# Altium PCB PCB22.PcbDoc (part 15 of 16) (continued)
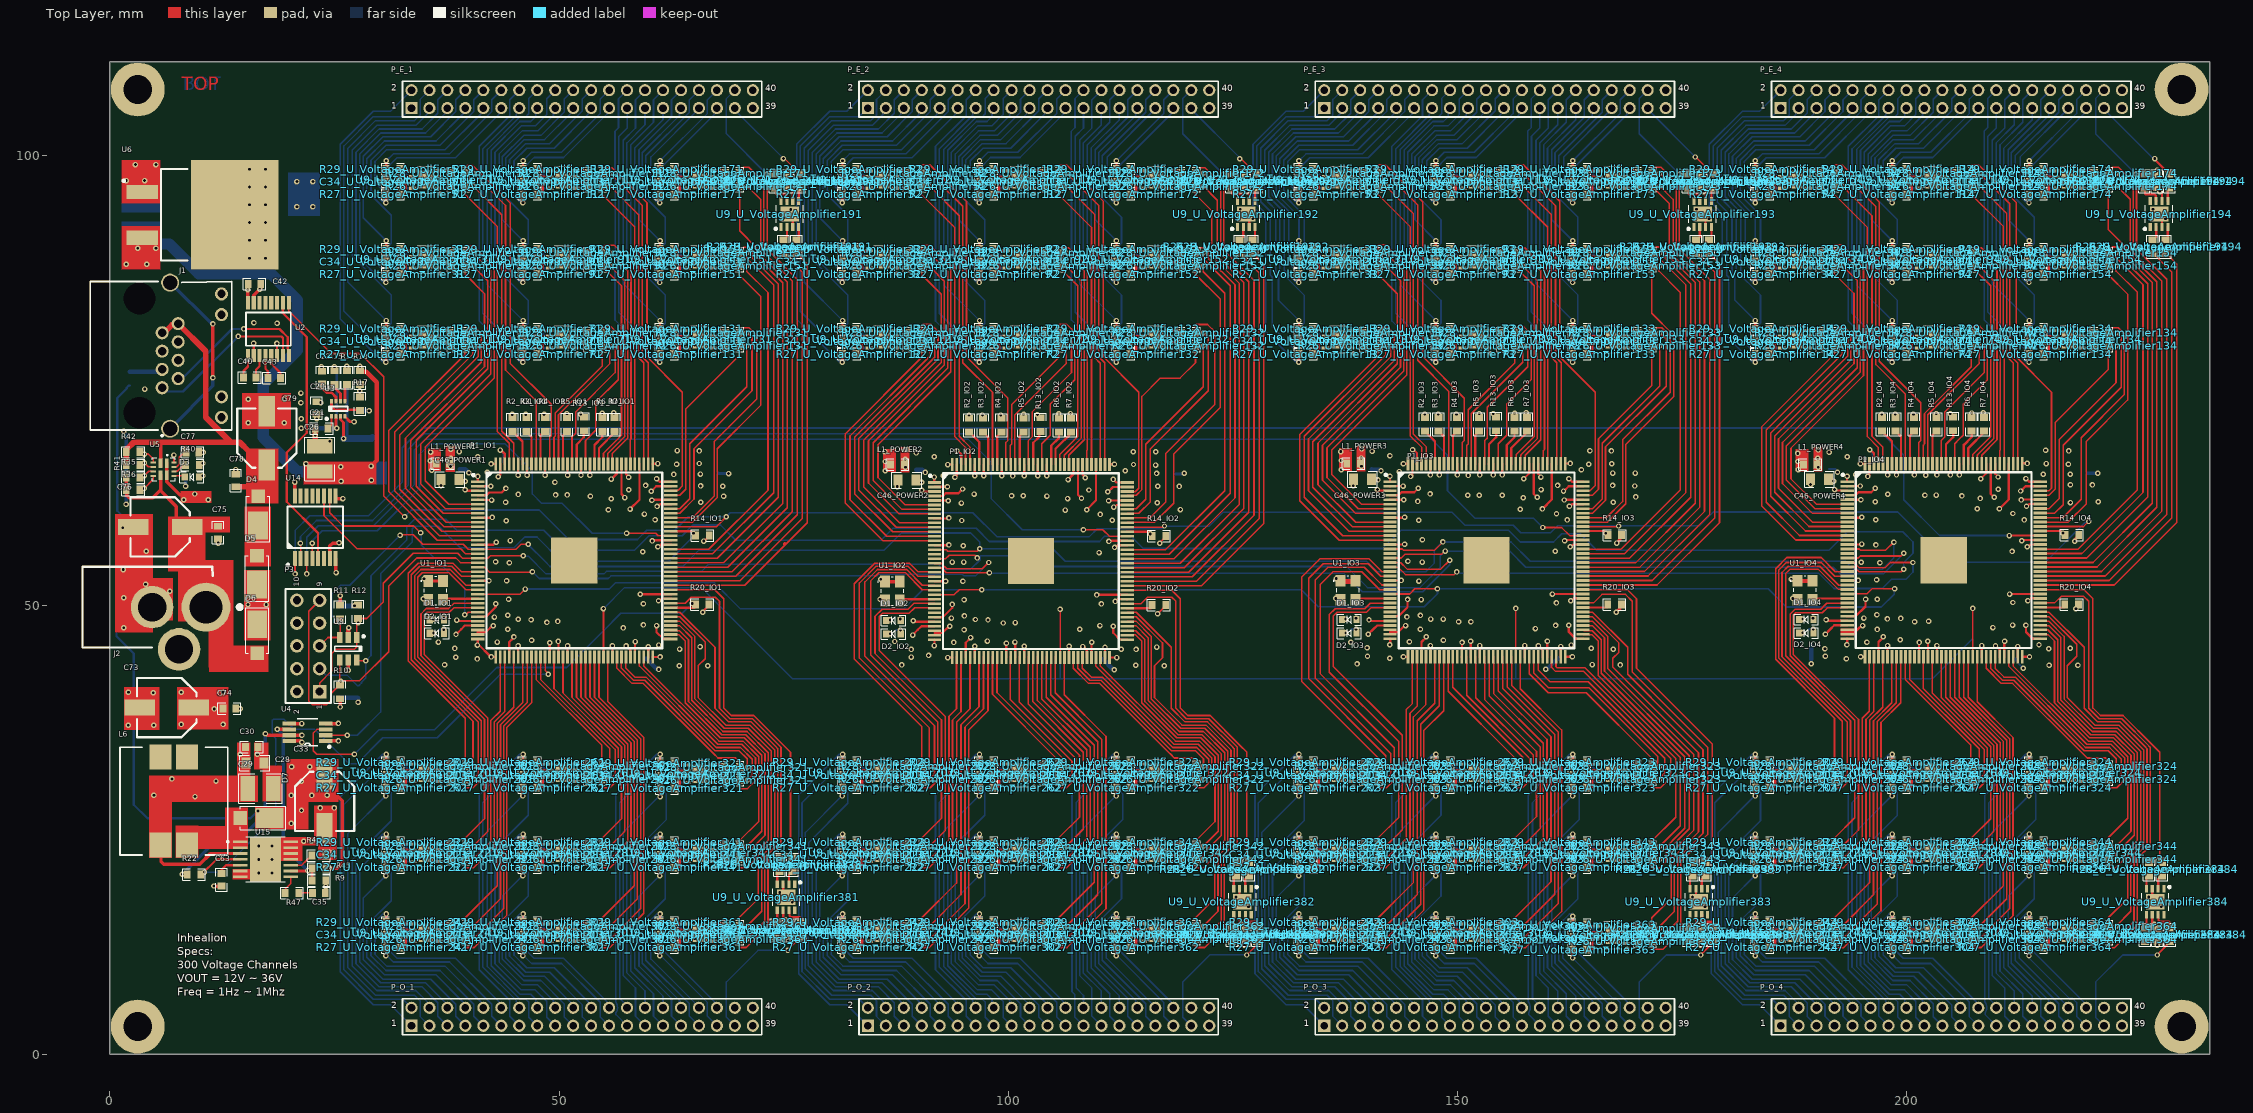
[diagram p0: Top Layer view]
## Nets (pads, with @x,y where several pads share a name; then routed paths per layer and width w, separated by ;. In a path a pad name is that pad's centre, name@x,y a point inside that pad or via, vN(x,y) a via of type N, cw(c..) or ccw(c..) an arc to the next point about the centre after c; other vN are vias at no path point) (continued)
; C34_U_VoltageAmplifier243.1@133.798,13.314 C34_U_VoltageAmplifier243.1@133.798,13.383 ; C34_U_VoltageAmplifier243.1@133.798,13.383 v1@134.303,13.888 ; C34_U_VoltageAmplifier243.1@133.798,13.383 v1@134.303,13.888 ; C34_U_VoltageAmplifier243.1@133.798,13.383 v1@134.303,13.888 ; C34_U_VoltageAmplifier223.1@133.798,22.204 C34_U_VoltageAmplifier223.1@133.798,22.273 ; C34_U_VoltageAmplifier223.1@133.798,22.204 C34_U_VoltageAmplifier223.1@133.798,22.273 ; C34_U_VoltageAmplifier223.1@133.798,22.204 C34_U_VoltageAmplifier223.1@133.798,22.273 ; C34_U_VoltageAmplifier223.1@133.798,22.273 v1@134.303,22.778 ; C34_U_VoltageAmplifier223.1@133.798,22.273 v1@134.303,22.778 ; C34_U_VoltageAmplifier223.1@133.798,22.273 v1@134.303,22.778 ; C34_U_VoltageAmplifier203.1@133.798,31.094 C34_U_VoltageAmplifier203.1@133.798,31.163 ; C34_U_VoltageAmplifier203.1@133.798,31.094 C34_U_VoltageAmplifier203.1@133.798,31.163 ; C34_U_VoltageAmplifier203.1@133.798,31.094 C34_U_VoltageAmplifier203.1@133.798,31.163 ; C34_U_VoltageAmplifier203.1@133.798,31.163 v1@134.303,31.668 ; C34_U_VoltageAmplifier203.1@133.798,31.163 v1@134.303,31.668 ; C34_U_VoltageAmplifier203.1@133.798,31.163 v1@134.303,31.668 ; C34_U_VoltageAmplifier13.1@133.798,79.354 C34_U_VoltageAmplifier13.1@133.798,79.423 ; C34_U_VoltageAmplifier13.1@133.798,79.354 C34_U_VoltageAmplifier13.1@133.798,79.423 ; C34_U_VoltageAmplifier13.1@133.798,79.354 C34_U_VoltageAmplifier13.1@133.798,79.423 ; C34_U_VoltageAmplifier13.1@133.798,79.423 v1@134.303,79.928 ; C34_U_VoltageAmplifier13.1@133.798,79.423 v1@134.303,79.928 ; C34_U_VoltageAmplifier13.1@133.798,79.423 v1@134.303,79.928 ; C34_U_VoltageAmplifier33.1@133.798,88.244 C34_U_VoltageAmplifier33.1@133.798,88.313 ; C34_U_VoltageAmplifier33.1@133.798,88.244 C34_U_VoltageAmplifier33.1@133.798,88.313 ; C34_U_VoltageAmplifier33.1@133.798,88.244 C34_U_VoltageAmplifier33.1@133.798,88.313 ; C34_U_VoltageAmplifier33.1@133.798,88.313 v1@134.303,88.818 ; C34_U_VoltageAmplifier33.1@133.798,88.313 v1@134.303,88.818 ; C34_U_VoltageAmplifier33.1@133.798,88.313 v1@134.303,88.818 ; C34_U_VoltageAmplifier53.1@133.798,97.134 C34_U_VoltageAmplifier53.1@133.798,97.203 ; C34_U_VoltageAmplifier53.1@133.798,97.134 C34_U_VoltageAmplifier53.1@133.798,97.203 ; C34_U_VoltageAmplifier53.1@133.798,97.134 C34_U_VoltageAmplifier53.1@133.798,97.203 ; C34_U_VoltageAmplifier53.1@133.798,97.203 v1@134.303,97.708 ; C34_U_VoltageAmplifier53.1@133.798,97.203 v1@134.303,97.708 ; C34_U_VoltageAmplifier53.1@133.798,97.203 v1@134.303,97.708 ; C34_U_VoltageAmplifier303.1@149.038,13.314 C34_U_VoltageAmplifier303.1@149.038,13.383 ; C34_U_VoltageAmplifier303.1@149.038,13.314 C34_U_VoltageAmplifier303.1@149.038,13.383 ; C34_U_VoltageAmplifier303.1@149.038,13.314 C34_U_VoltageAmplifier303.1@149.038,13.383 ; C34_U_VoltageAmplifier303.1@149.038,13.383 v1@149.543,13.888 ; C34_U_VoltageAmplifier303.1@149.038,13.383 v1@149.543,13.888 ; C34_U_VoltageAmplifier303.1@149.038,13.383 v1@149.543,13.888 ; C34_U_VoltageAmplifier283.1@149.038,22.204 C34_U_VoltageAmplifier283.1@149.038,22.273 ; C34_U_VoltageAmplifier283.1@149.038,22.204 C34_U_VoltageAmplifier283.1@149.038,22.273 ; C34_U_VoltageAmplifier283.1@149.038,22.204 C34_U_VoltageAmplifier283.1@149.038,22.273 ; C34_U_VoltageAmplifier283.1@149.038,22.273 v1@149.543,22.778 ; C34_U_VoltageAmplifier283.1@149.038,22.273 v1@149.543,22.778 ; C34_U_VoltageAmplifier283.1@149.038,22.273 v1@149.543,22.778 ; C34_U_VoltageAmplifier263.1@149.038,31.094 C34_U_VoltageAmplifier263.1@149.038,31.163 ; C34_U_VoltageAmplifier263.1@149.038,31.094 C34_U_VoltageAmplifier263.1@149.038,31.163 ; C34_U_VoltageAmplifier263.1@149.038,31.094 C34_U_VoltageAmplifier263.1@149.038,31.163 ; C34_U_VoltageAmplifier263.1@149.038,31.163 v1@149.543,31.668 ; C34_U_VoltageAmplifier263.1@149.038,31.163 v1@149.543,31.668 ; C34_U_VoltageAmplifier263.1@149.038,31.163 v1@149.543,31.668 ; C34_U_VoltageAmplifier73.1@149.038,79.354 C34_U_VoltageAmplifier73.1@149.038,79.423 ; C34_U_VoltageAmplifier73.1@149.038,79.354 C34_U_VoltageAmplifier73.1@149.038,79.423 ; C34_U_VoltageAmplifier73.1@149.038,79.354 C34_U_VoltageAmplifier73.1@149.038,79.423 ; C34_U_VoltageAmplifier73.1@149.038,79.423 v1@149.543,79.928 ; C34_U_VoltageAmplifier73.1@149.038,79.423 v1@149.543,79.928 ; C34_U_VoltageAmplifier73.1@149.038,79.423 v1@149.543,79.928 ; C34_U_VoltageAmplifier93.1@149.038,88.244 C34_U_VoltageAmplifier93.1@149.038,88.313 ; C34_U_VoltageAmplifier93.1@149.038,88.244 C34_U_VoltageAmplifier93.1@149.038,88.313 ; C34_U_VoltageAmplifier93.1@149.038,88.244 C34_U_VoltageAmplifier93.1@149.038,88.313 ; C34_U_VoltageAmplifier93.1@149.038,88.313 v1@149.543,88.818 ; C34_U_VoltageAmplifier93.1@149.038,88.313 v1@149.543,88.818 ; C34_U_VoltageAmplifier93.1@149.038,88.313 v1@149.543,88.818 ; C34_U_VoltageAmplifier113.1@149.038,97.134 C34_U_VoltageAmplifier113.1@149.038,97.203 ; C34_U_VoltageAmplifier113.1@149.038,97.134 C34_U_VoltageAmplifier113.1@149.038,97.203 ; C34_U_VoltageAmplifier113.1@149.038,97.134 C34_U_VoltageAmplifier113.1@149.038,97.203 ; C34_U_VoltageAmplifier113.1@149.038,97.203 v1@149.543,97.708 ; C34_U_VoltageAmplifier113.1@149.038,97.203 v1@149.543,97.708 ; C34_U_VoltageAmplifier113.1@149.038,97.203 v1@149.543,97.708 ; C34_U_VoltageAmplifier363.1@164.278,13.06 C34_U_VoltageAmplifier363.1@164.278,13.129 ; C34_U_VoltageAmplifier363.1@164.278,13.06 C34_U_VoltageAmplifier363.1@164.278,13.129 ; C34_U_VoltageAmplifier363.1@164.278,13.06 C34_U_VoltageAmplifier363.1@164.278,13.129 ; C34_U_VoltageAmplifier363.1@164.278,13.129 v1@164.783,13.634 ; C34_U_VoltageAmplifier363.1@164.278,13.129 v1@164.783,13.634 ; C34_U_VoltageAmplifier363.1@164.278,13.129 v1@164.783,13.634 ; C34_U_VoltageAmplifier343.1@164.278,22.204 C34_U_VoltageAmplifier343.1@164.278,22.273 ; C34_U_VoltageAmplifier343.1@164.278,22.204 C34_U_VoltageAmplifier343.1@164.278,22.273 ; C34_U_VoltageAmplifier343.1@164.278,22.204 C34_U_VoltageAmplifier343.1@164.278,22.273 ; C34_U_VoltageAmplifier343.1@164.278,22.273 v1@164.783,22.778 ; C34_U_VoltageAmplifier343.1@164.278,22.273 v1@164.783,22.778 ; C34_U_VoltageAmplifier343.1@164.278,22.273 v1@164.783,22.778 ; C34_U_VoltageAmplifier323.1@164.278,31.094 C34_U_VoltageAmplifier323.1@164.278,31.163 ; C34_U_VoltageAmplifier323.1@164.278,31.094 C34_U_VoltageAmplifier323.1@164.278,31.163 ; C34_U_VoltageAmplifier323.1@164.278,31.094 C34_U_VoltageAmplifier323.1@164.278,31.163 ; C34_U_VoltageAmplifier323.1@164.278,31.163 v1@164.783,31.668 ; C34_U_VoltageAmplifier323.1@164.278,31.163 v1@164.783,31.668 ; C34_U_VoltageAmplifier323.1@164.278,31.163 v1@164.783,31.668 ; C34_U_VoltageAmplifier133.1@164.278,79.354 C34_U_VoltageAmplifier133.1@164.278,79.423 ; C34_U_VoltageAmplifier133.1@164.278,79.354 C34_U_VoltageAmplifier133.1@164.278,79.423 ; C34_U_VoltageAmplifier133.1@164.278,79.354 C34_U_VoltageAmplifier133.1@164.278,79.423 ; C34_U_VoltageAmplifier133.1@164.278,79.423 v1@164.783,79.928 ; C34_U_VoltageAmplifier133.1@164.278,79.423 v1@164.783,79.928 ; C34_U_VoltageAmplifier133.1@164.278,79.423 v1@164.783,79.928 ; C34_U_VoltageAmplifier153.1@164.278,88.244 C34_U_VoltageAmplifier153.1@164.278,88.313 ; C34_U_VoltageAmplifier153.1@164.278,88.244 C34_U_VoltageAmplifier153.1@164.278,88.313 ; C34_U_VoltageAmplifier153.1@164.278,88.244 C34_U_VoltageAmplifier153.1@164.278,88.313 ; C34_U_VoltageAmplifier153.1@164.278,88.313 v1@164.783,88.818 ; C34_U_VoltageAmplifier153.1@164.278,88.313 v1@164.783,88.818 ; C34_U_VoltageAmplifier153.1@164.278,88.313 v1@164.783,88.818 ; C34_U_VoltageAmplifier173.1@164.278,97.134 C34_U_VoltageAmplifier173.1@164.278,97.203 ; C34_U_VoltageAmplifier173.1@164.278,97.134 C34_U_VoltageAmplifier173.1@164.278,97.203 ; C34_U_VoltageAmplifier173.1@164.278,97.134 C34_U_VoltageAmplifier173.1@164.278,97.203 ; C34_U_VoltageAmplifier173.1@164.278,97.203 v1@164.783,97.708 ; C34_U_VoltageAmplifier173.1@164.278,97.203 v1@164.783,97.708 ; C34_U_VoltageAmplifier173.1@164.278,97.203 v1@164.783,97.708 ; v1@176.532,14.525 C34_U_VoltageAmplifier383.1@177.037,14.02 ; v1@176.532,14.525 C34_U_VoltageAmplifier383.1@177.037,14.02 ; C34_U_VoltageAmplifier383.1@177.037,14.02 C34_U_VoltageAmplifier383.1@177.106,14.02 C34_U_VoltageAmplifier383.1@177.037,14.02 ; C34_U_VoltageAmplifier193.1@177.103,96.5 v1@177.608,95.995 ; C34_U_VoltageAmplifier193.1@177.103,96.5 v1@177.608,95.995 ; C34_U_VoltageAmplifier193.1@177.103,96.5 C34_U_VoltageAmplifier193.1@177.034,96.5 C34_U_VoltageAmplifier193.1@177.103,96.5 ; C34_U_VoltageAmplifier244.1@184.598,13.314 C34_U_VoltageAmplifier244.1@184.598,13.383 ; C34_U_VoltageAmplifier244.1@184.598,13.314 C34_U_VoltageAmplifier244.1@184.598,13.383 ; C34_U_VoltageAmplifier244.1@184.598,13.314 C34_U_VoltageAmplifier244.1@184.598,13.383 ; C34_U_VoltageAmplifier244.1@184.598,13.383 v1@185.103,13.888 ; C34_U_VoltageAmplifier244.1@184.598,13.383 v1@185.103,13.888 ; C34_U_VoltageAmplifier244.1@184.598,13.383 v1@185.103,13.888 ; C34_U_VoltageAmplifier224.1@184.598,22.204 C34_U_VoltageAmplifier224.1@184.598,22.273 ; C34_U_VoltageAmplifier224.1@184.598,22.204 C34_U_VoltageAmplifier224.1@184.598,22.273 ; C34_U_VoltageAmplifier224.1@184.598,22.204 C34_U_VoltageAmplifier224.1@184.598,22.273 ; C34_U_VoltageAmplifier224.1@184.598,22.273 v1@185.103,22.778 ; C34_U_VoltageAmplifier224.1@184.598,22.273 v1@185.103,22.778 ; C34_U_VoltageAmplifier224.1@184.598,22.273 v1@185.103,22.778 ; C34_U_VoltageAmplifier204.1@184.598,31.094 C34_U_VoltageAmplifier204.1@184.598,31.163 ; C34_U_VoltageAmplifier204.1@184.598,31.094 C34_U_VoltageAmplifier204.1@184.598,31.163 ; C34_U_VoltageAmplifier204.1@184.598,31.094 C34_U_VoltageAmplifier204.1@184.598,31.163 ; C34_U_VoltageAmplifier204.1@184.598,31.163 v1@185.103,31.668 ; C34_U_VoltageAmplifier204.1@184.598,31.163 v1@185.103,31.668 ; C34_U_VoltageAmplifier204.1@184.598,31.163 v1@185.103,31.668 ; C34_U_VoltageAmplifier14.1@184.598,79.354 C34_U_VoltageAmplifier14.1@184.598,79.423 ; C34_U_VoltageAmplifier14.1@184.598,79.354 C34_U_VoltageAmplifier14.1@184.598,79.423 ; C34_U_VoltageAmplifier14.1@184.598,79.354 C34_U_VoltageAmplifier14.1@184.598,79.423 ; C34_U_VoltageAmplifier14.1@184.598,79.423 v1@185.103,79.928 ; C34_U_VoltageAmplifier14.1@184.598,79.423 v1@185.103,79.928 ; C34_U_VoltageAmplifier14.1@184.598,79.423 v1@185.103,79.928 ; C34_U_VoltageAmplifier34.1@184.598,88.244 C34_U_VoltageAmplifier34.1@184.598,88.313 ; C34_U_VoltageAmplifier34.1@184.598,88.244 C34_U_VoltageAmplifier34.1@184.598,88.313 ; C34_U_VoltageAmplifier34.1@184.598,88.244 C34_U_VoltageAmplifier34.1@184.598,88.313 ; C34_U_VoltageAmplifier34.1@184.598,88.313 v1@185.103,88.818 ; C34_U_VoltageAmplifier34.1@184.598,88.313 v1@185.103,88.818 ; C34_U_VoltageAmplifier34.1@184.598,88.313 v1@185.103,88.818 ; C34_U_VoltageAmplifier54.1@184.598,97.134 C34_U_VoltageAmplifier54.1@184.598,97.203 ; C34_U_VoltageAmplifier54.1@184.598,97.134 C34_U_VoltageAmplifier54.1@184.598,97.203 ; C34_U_VoltageAmplifier54.1@184.598,97.134 C34_U_VoltageAmplifier54.1@184.598,97.203 ; C34_U_VoltageAmplifier54.1@184.598,97.203 v1@185.103,97.708 ; C34_U_VoltageAmplifier54.1@184.598,97.203 v1@185.103,97.708 ; C34_U_VoltageAmplifier54.1@184.598,97.203 v1@185.103,97.708 ; C34_U_VoltageAmplifier304.1@199.838,13.314 C34_U_VoltageAmplifier304.1@199.838,13.383 ; C34_U_VoltageAmplifier304.1@199.838,13.314 C34_U_VoltageAmplifier304.1@199.838,13.383 ; C34_U_VoltageAmplifier304.1@199.838,13.314 C34_U_VoltageAmplifier304.1@199.838,13.383 ; C34_U_VoltageAmplifier304.1@199.838,13.383 v1@200.343,13.888 ; C34_U_VoltageAmplifier304.1@199.838,13.383 v1@200.343,13.888 ; C34_U_VoltageAmplifier304.1@199.838,13.383 v1@200.343,13.888 ; C34_U_VoltageAmplifier284.1@199.838,22.204 C34_U_VoltageAmplifier284.1@199.838,22.273 ; C34_U_VoltageAmplifier284.1@199.838,22.204 C34_U_VoltageAmplifier284.1@199.838,22.273 ; C34_U_VoltageAmplifier284.1@199.838,22.204 C34_U_VoltageAmplifier284.1@199.838,22.273 ; C34_U_VoltageAmplifier284.1@199.838,22.273 v1@200.343,22.778 ; C34_U_VoltageAmplifier284.1@199.838,22.273 v1@200.343,22.778 ; C34_U_VoltageAmplifier284.1@199.838,22.273 v1@200.343,22.778 ; C34_U_VoltageAmplifier264.1@199.838,31.094 C34_U_VoltageAmplifier264.1@199.838,31.163 ; C34_U_VoltageAmplifier264.1@199.838,31.094 C34_U_VoltageAmplifier264.1@199.838,31.163 ; C34_U_VoltageAmplifier264.1@199.838,31.094 C34_U_VoltageAmplifier264.1@199.838,31.163 ; C34_U_VoltageAmplifier264.1@199.838,31.163 v1@200.343,31.668 ; C34_U_VoltageAmplifier264.1@199.838,31.163 v1@200.343,31.668 ; C34_U_VoltageAmplifier264.1@199.838,31.163 v1@200.343,31.668 ; C34_U_VoltageAmplifier74.1@199.838,79.354 C34_U_VoltageAmplifier74.1@199.838,79.423 ; C34_U_VoltageAmplifier74.1@199.838,79.354 C34_U_VoltageAmplifier74.1@199.838,79.423 ; C34_U_VoltageAmplifier74.1@199.838,79.354 C34_U_VoltageAmplifier74.1@199.838,79.423 ; C34_U_VoltageAmplifier74.1@199.838,79.423 v1@200.343,79.928 ; C34_U_VoltageAmplifier74.1@199.838,79.423 v1@200.343,79.928 ; C34_U_VoltageAmplifier74.1@199.838,79.423 v1@200.343,79.928 ; C34_U_VoltageAmplifier94.1@199.838,88.244 C34_U_VoltageAmplifier94.1@199.838,88.313 ; C34_U_VoltageAmplifier94.1@199.838,88.244 C34_U_VoltageAmplifier94.1@199.838,88.313 ; C34_U_VoltageAmplifier94.1@199.838,88.244 C34_U_VoltageAmplifier94.1@199.838,88.313 ; C34_U_VoltageAmplifier94.1@199.838,88.313 v1@200.343,88.818 ; C34_U_VoltageAmplifier94.1@199.838,88.313 v1@200.343,88.818 ; C34_U_VoltageAmplifier94.1@199.838,88.313 v1@200.343,88.818 ; C34_U_VoltageAmplifier114.1@199.838,97.134 C34_U_VoltageAmplifier114.1@199.838,97.203 ; C34_U_VoltageAmplifier114.1@199.838,97.134 C34_U_VoltageAmplifier114.1@199.838,97.203 ; C34_U_VoltageAmplifier114.1@199.838,97.134 C34_U_VoltageAmplifier114.1@199.838,97.203 ; C34_U_VoltageAmplifier114.1@199.838,97.203 v1@200.343,97.708 ; C34_U_VoltageAmplifier114.1@199.838,97.203 v1@200.343,97.708 ; C34_U_VoltageAmplifier114.1@199.838,97.203 v1@200.343,97.708 ; C34_U_VoltageAmplifier364.1@215.078,13.314 C34_U_VoltageAmplifier364.1@215.078,13.383 ; C34_U_VoltageAmplifier364.1@215.078,13.314 C34_U_VoltageAmplifier364.1@215.078,13.383 ; C34_U_VoltageAmplifier364.1@215.078,13.314 C34_U_VoltageAmplifier364.1@215.078,13.383 ; C34_U_VoltageAmplifier364.1@215.078,13.383 v1@215.583,13.888 ; C34_U_VoltageAmplifier364.1@215.078,13.383 v1@215.583,13.888 ; C34_U_VoltageAmplifier364.1@215.078,13.383 v1@215.583,13.888 ; C34_U_VoltageAmplifier344.1@215.078,22.204 C34_U_VoltageAmplifier344.1@215.078,22.273 ; C34_U_VoltageAmplifier344.1@215.078,22.204 C34_U_VoltageAmplifier344.1@215.078,22.273 ; C34_U_VoltageAmplifier344.1@215.078,22.204 C34_U_VoltageAmplifier344.1@215.078,22.273 ; C34_U_VoltageAmplifier344.1@215.078,22.273 v1@215.583,22.778 ; C34_U_VoltageAmplifier344.1@215.078,22.273 v1@215.583,22.778 ; C34_U_VoltageAmplifier344.1@215.078,22.273 v1@215.583,22.778 ; C34_U_VoltageAmplifier324.1@215.078,31.094 C34_U_VoltageAmplifier324.1@215.078,31.163 ; C34_U_VoltageAmplifier324.1@215.078,31.094 C34_U_VoltageAmplifier324.1@215.078,31.163 ; C34_U_VoltageAmplifier324.1@215.078,31.094 C34_U_VoltageAmplifier324.1@215.078,31.163 ; C34_U_VoltageAmplifier324.1@215.078,31.163 v1@215.583,31.668 ; C34_U_VoltageAmplifier324.1@215.078,31.163 v1@215.583,31.668 ; C34_U_VoltageAmplifier324.1@215.078,31.163 v1@215.583,31.668 ; C34_U_VoltageAmplifier134.1@215.078,79.354 C34_U_VoltageAmplifier134.1@215.078,79.423 ; C34_U_VoltageAmplifier134.1@215.078,79.354 C34_U_VoltageAmplifier134.1@215.078,79.423 ; C34_U_VoltageAmplifier134.1@215.078,79.354 C34_U_VoltageAmplifier134.1@215.078,79.423 ; C34_U_VoltageAmplifier134.1@215.078,79.423 v1@215.583,79.928 ; C34_U_VoltageAmplifier134.1@215.078,79.423 v1@215.583,79.928 ; C34_U_VoltageAmplifier134.1@215.078,79.423 v1@215.583,79.928 ; C34_U_VoltageAmplifier154.1@215.078,88.244 C34_U_VoltageAmplifier154.1@215.078,88.313 ; C34_U_VoltageAmplifier154.1@215.078,88.244 C34_U_VoltageAmplifier154.1@215.078,88.313 ; C34_U_VoltageAmplifier154.1@215.078,88.244 C34_U_VoltageAmplifier154.1@215.078,88.313 ; C34_U_VoltageAmplifier154.1@215.078,88.313 v1@215.583,88.818 ; C34_U_VoltageAmplifier154.1@215.078,88.313 v1@215.583,88.818 ; C34_U_VoltageAmplifier154.1@215.078,88.313 v1@215.583,88.818 ; C34_U_VoltageAmplifier174.1@215.078,97.134 C34_U_VoltageAmplifier174.1@215.078,97.203 ; C34_U_VoltageAmplifier174.1@215.078,97.134 C34_U_VoltageAmplifier174.1@215.078,97.203 ; C34_U_VoltageAmplifier174.1@215.078,97.134 C34_U_VoltageAmplifier174.1@215.078,97.203 ; C34_U_VoltageAmplifier174.1@215.078,97.203 v1@215.583,97.708 ; C34_U_VoltageAmplifier174.1@215.078,97.203 v1@215.583,97.708 ; C34_U_VoltageAmplifier174.1@215.078,97.203 v1@215.583,97.708 ; v1@227.332,14.525 C34_U_VoltageAmplifier384.1@227.837,14.02 ; v1@227.332,14.525 C34_U_VoltageAmplifier384.1@227.837,14.02 ; C34_U_VoltageAmplifier384.1@227.837,14.02 C34_U_VoltageAmplifier384.1@227.906,14.02 C34_U_VoltageAmplifier384.1@227.837,14.02 ; C34_U_VoltageAmplifier194.1@227.903,96.5 v1@228.408,95.995 ; C34_U_VoltageAmplifier194.1@227.903,96.5 v1@228.408,95.995 ; C34_U_VoltageAmplifier194.1@227.903,96.5 C34_U_VoltageAmplifier194.1@227.834,96.5 C34_U_VoltageAmplifier194.1@227.903,96.5
  Top Layer w0.381: R45.1@24.022,20.718 25.309,20.718 25.851,21.26 25.851,28.245 25.267,28.829